# Altium PCB 2-quilter-output.PcbDoc (part 2 of 26) (continued)
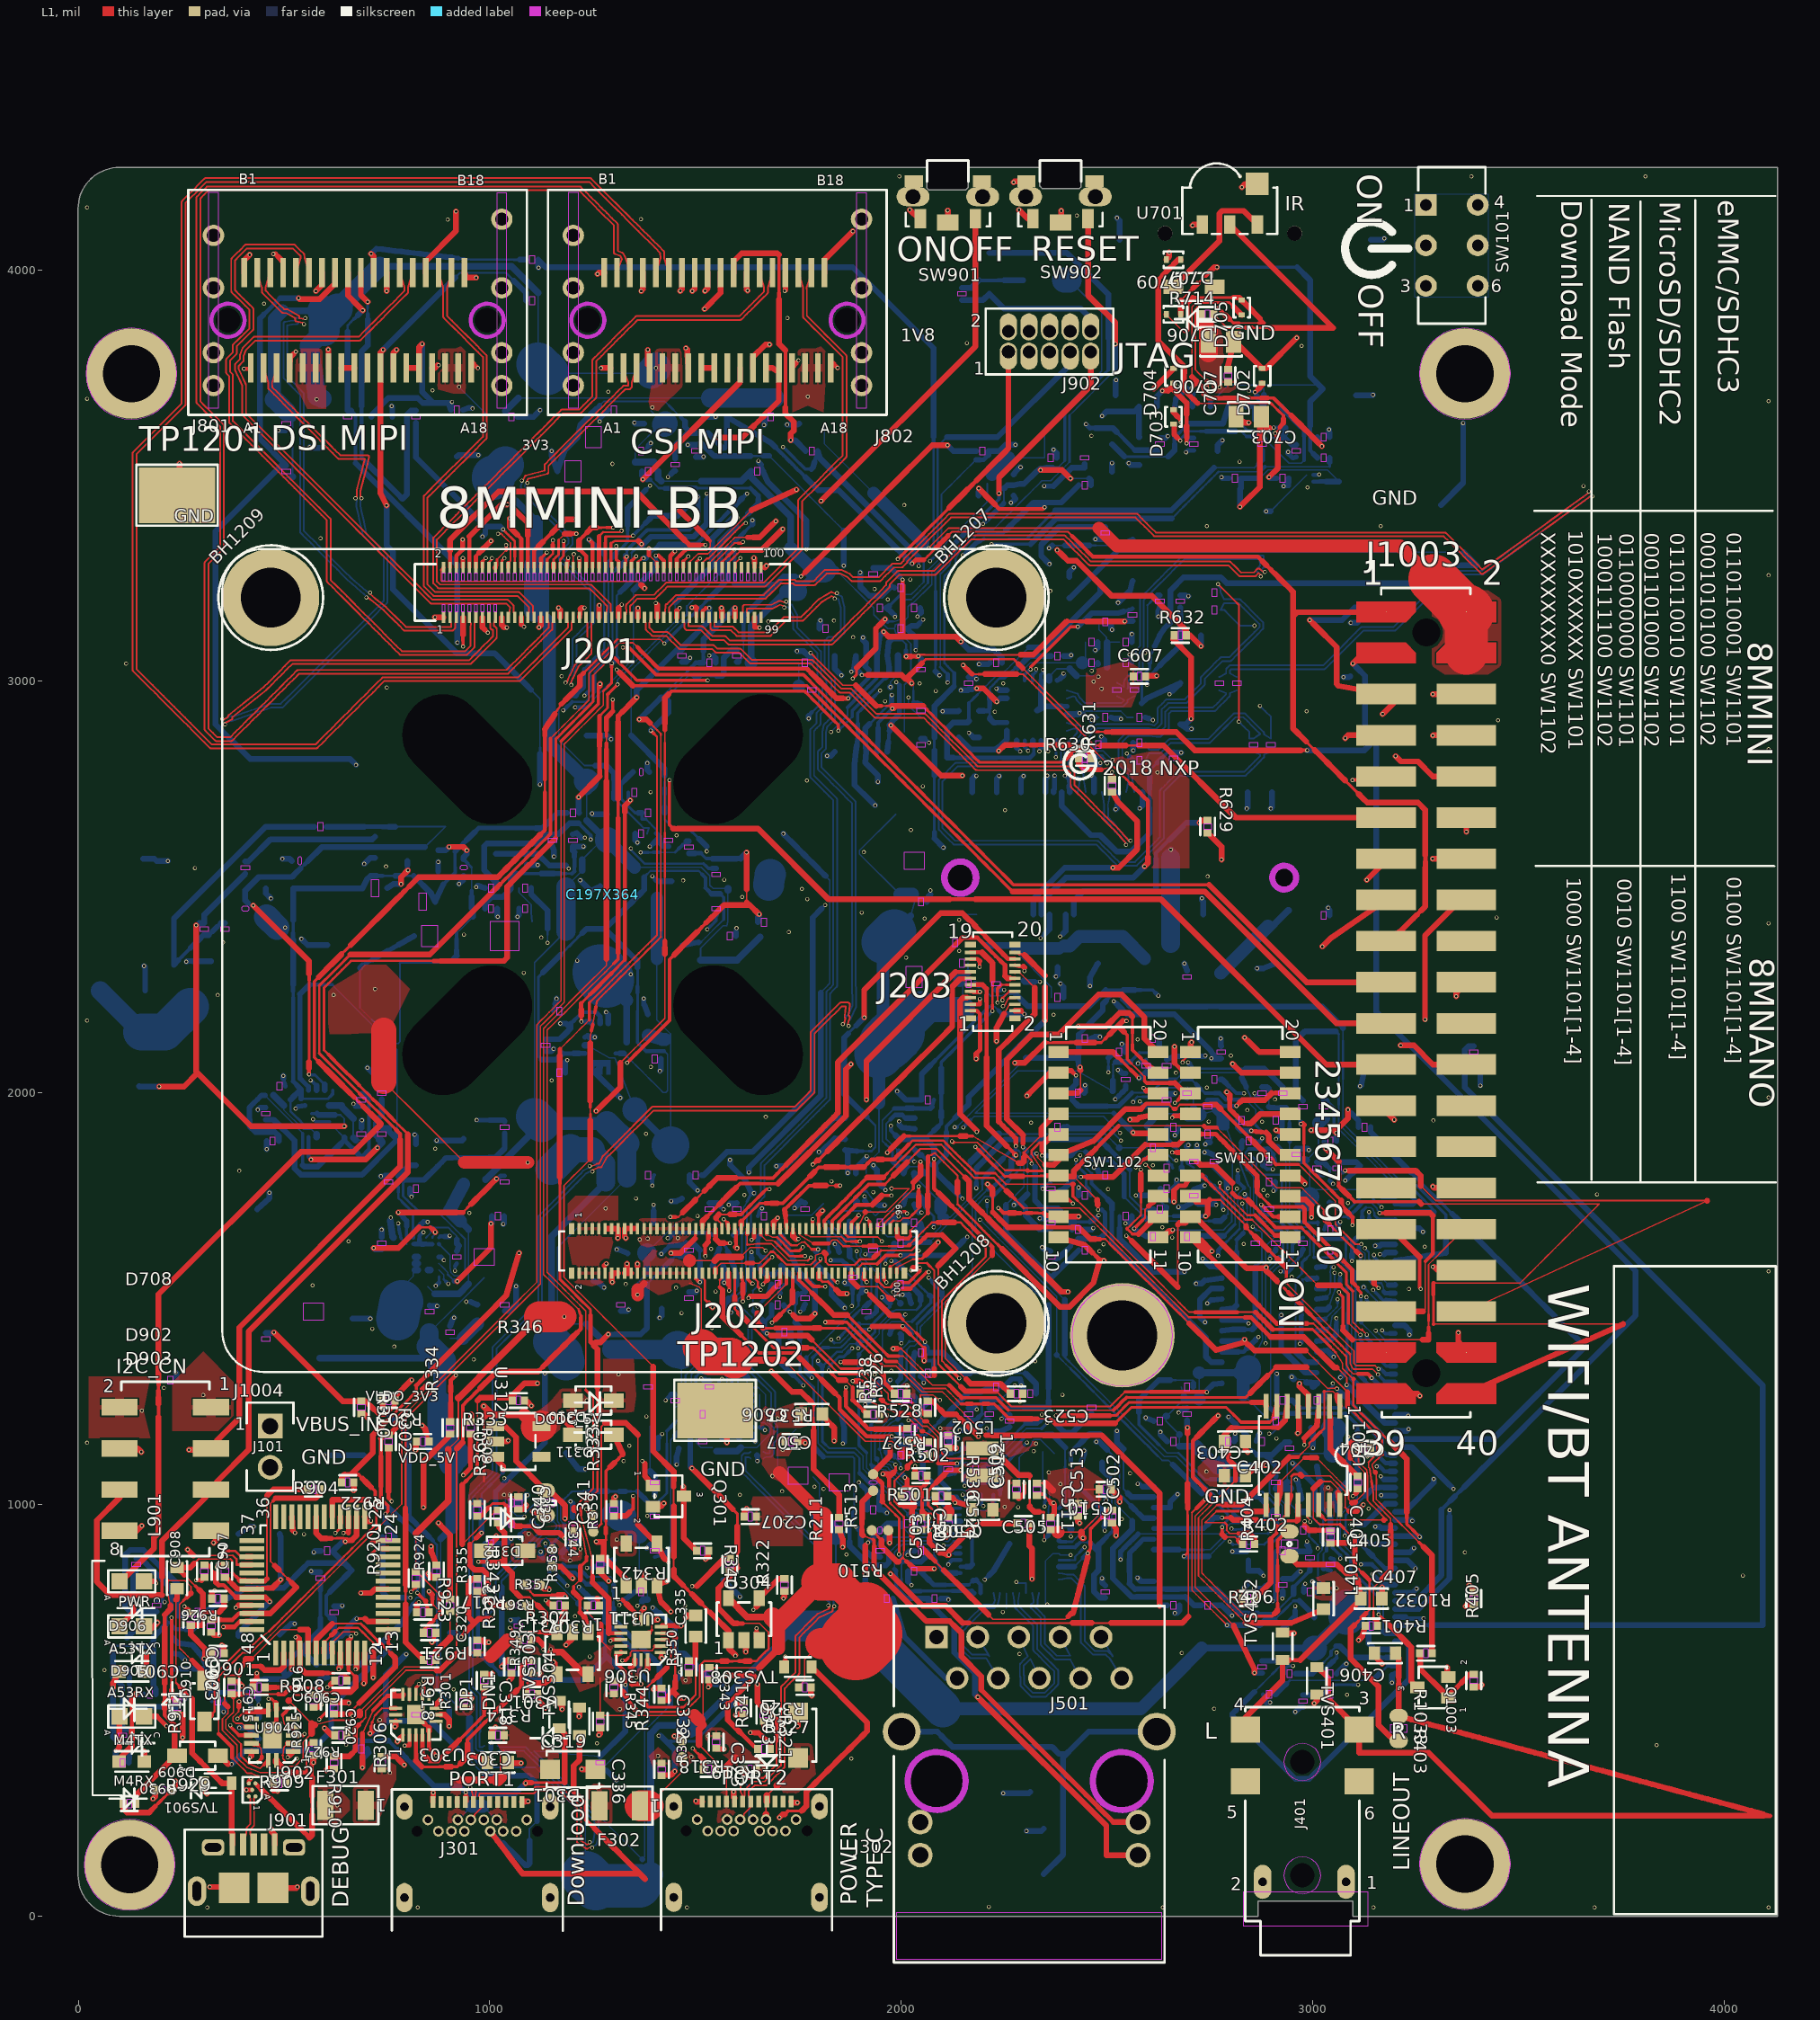
[diagram p0: L1 view]
## Footprints (in the part's own frame and the unit in brackets; to place one, negate y for a bottom-side part, rotate by r counter-clockwise, add the part's x,y. Pads: shape width x height; smd on the part's side, far side on the other; paste and mask are expansions set on the pad) (continued)
  L8 keep-out region: -324.17,-158.66 -325.06,-151.87 -327.68,-145.55 -331.85,-140.12 -337.28,-135.95 -343.61,-133.33 -350.39,-132.43 -357.18,-133.33 -363.51,-135.95 -363.51,-135.95 -368.94,-140.12 -373.11,-145.55 -375.73,-151.87 -376.62,-158.66 -375.73,-165.45 -373.11,-171.78 -368.94,-177.21 -363.51,-181.38 -363.51,-181.38 -357.18,-184 -350.39,-184.89 -343.61,-184 -337.28,-181.38 -331.85,-177.21 -327.68,-171.78 -325.06,-165.45 -324.17,-158.66
  L8 keep-out region: 376.61,-158.66 375.72,-151.88 373.1,-145.55 368.93,-140.12 363.5,-135.95 357.18,-133.33 350.39,-132.44 343.61,-133.33 337.28,-135.95 337.28,-135.95 331.85,-140.12 327.69,-145.55 325.07,-151.88 324.17,-158.66 325.07,-165.45 327.69,-171.77 331.85,-177.2 337.28,-181.37 337.28,-181.37 343.61,-183.99 350.39,-184.88 357.18,-183.99 363.5,-181.37 368.93,-177.2 373.1,-171.77 375.72,-165.45 376.61,-158.66
  L8 keep-out region: 376.62,-78.74 375.73,-71.95 373.11,-65.62 368.94,-60.19 363.51,-56.02 357.18,-53.4 350.39,-52.51 343.6,-53.4 337.28,-56.02 337.28,-56.02 331.85,-60.19 327.68,-65.62 325.06,-71.95 324.16,-78.74 325.06,-85.53 327.68,-91.86 331.85,-97.29 337.28,-101.46 337.28,-101.46 343.6,-104.08 350.39,-104.97 357.18,-104.08 363.51,-101.46 368.94,-97.29 373.11,-91.86 375.73,-85.53 376.62,-78.74
  L8 keep-out region: 376.62,78.74 375.73,85.53 373.11,91.86 368.94,97.29 363.51,101.46 357.18,104.08 350.39,104.97 343.6,104.08 337.28,101.46 337.28,101.46 331.85,97.29 327.68,91.86 325.06,85.53 324.16,78.74 325.06,71.95 327.68,65.62 331.85,60.19 337.28,56.02 337.28,56.02 343.6,53.4 350.39,52.51 357.18,53.4 363.51,56.02 368.94,60.19 373.11,65.62 375.73,71.95 376.62,78.74
  L8 keep-out region: 376.62,245.67 375.73,252.46 373.11,258.78 368.94,264.22 363.51,268.39 357.18,271.01 350.39,271.9 343.6,271.01 337.28,268.39 337.28,268.39 331.85,264.22 327.68,258.78 325.06,252.46 324.16,245.67 325.06,238.88 327.68,232.55 331.85,227.12 337.28,222.95 337.28,222.95 343.6,220.33 350.39,219.44 357.18,220.33 363.51,222.95 368.94,227.12 373.11,232.55 375.73,238.88 376.62,245.67
  Keep-Out Layer circle w10: c314.96,0 r40.28
  Keep-Out Layer circle w10: c-314.96,0 r40.28
  silkscreen extent -412,-230 412,317, body extent -367,-492 365,523, height 911
CON_75_0P5_22X9_RA [mil] "CON_75_0P5_22X9_RA"
  rect 12x61 smd: 1(-364.17,141.73) 2(-354.33,-155.51) 3(-344.49,141.73) 4(-334.65,-155.51) 5(-324.8,141.73) 6(-314.96,-155.51) 7(-305.12,141.73) 8(-295.28,-155.51) 9(-285.43,141.73) 10(-275.59,-155.51) 11(-265.75,141.73) 12(-255.91,-155.51) 13(-246.06,141.73) 14(-236.22,-155.51) 15(-226.38,141.73) 16(-216.54,-155.51) 17(-206.69,141.73) 18(-196.85,-155.51) 19(-187.01,141.73) 20(-177.17,-155.51) 21(-167.32,141.73) 22(-157.48,-155.51) 23(-147.64,141.73) 32(-59.06,-155.51) 33(-49.21,141.73) 34(-39.37,-155.51) 35(-29.53,141.73) 36(-19.69,-155.51) 37(-9.84,141.73) 38(0,-155.51) 39(9.84,141.73) 40(19.69,-155.51) 41(29.53,141.73) 42(39.37,-155.51) 43(49.21,141.73) 44(59.06,-155.51) 45(68.9,141.73) 46(78.74,-155.51) 47(88.58,141.73) 48(98.43,-155.51) 49(108.27,141.73) 50(118.11,-155.51) 51(127.95,141.73) 52(137.8,-155.51) 53(147.64,141.73) 54(157.48,-155.51) 55(167.32,141.73) 56(177.17,-155.51) 57(187.01,141.73) 58(196.85,-155.51) 59(206.69,141.73) 60(216.54,-155.51) 61(226.38,141.73) 62(236.22,-155.51) 63(246.06,141.73) 64(255.91,-155.51) 65(265.75,141.73) 66(275.59,-155.51) 67(285.43,141.73) 68(295.28,-155.51) 69(305.12,141.73) 70(314.96,-155.51) 71(324.8,141.73) 72(334.65,-155.51) 73(344.49,141.73) 74(354.33,-155.51) 75(364.17,141.73)
  rect 47x108 smd: ""(-407.48,111.22) ""(407.48,111.22)
  round 10 hole 43 unplated: ""(-393.7,-65.94)
  round 10 hole 63 unplated: ""(393.7,-65.94)
  L8 keep-out region: 361.94,-65.94 363.02,-57.72 366.19,-50.06 371.24,-43.49 377.82,-38.44 385.48,-35.26 393.7,-34.18 401.92,-35.26 409.58,-38.44 409.58,-38.44 416.16,-43.49 421.21,-50.06 424.38,-57.72 425.46,-65.94 424.38,-74.17 421.21,-81.83 416.16,-88.4 409.58,-93.45 409.58,-93.45 401.92,-96.63 393.7,-97.71 385.48,-96.63 377.82,-93.45 371.24,-88.4 366.19,-81.83 363.02,-74.17 361.94,-65.94
  Keep-Out Layer circle w15: c393.7,-65.94 r39.4
  Keep-Out Layer circle w15: c-393.7,-65.94 r29
  silkscreen extent -440,-192 440,185, body extent -431,-174 431,168, height 160
CON_FPC_60F_0P5_SM_RA [mil] "CON_FPC_60F_0P5_SM_RA"
  rect 10x44 smd: 1(-580.71,68.9) 2(-561.02,68.9) 3(-541.34,68.9) 4(-521.65,68.9) 5(-501.97,68.9) 6(-482.28,68.9) 7(-462.6,68.9) 8(-442.91,68.9) 9(-423.23,68.9) 10(-403.54,68.9) 11(-383.86,68.9) 12(-364.17,68.9) 13(-344.49,68.9) 14(-324.8,68.9) 15(-305.12,68.9) 16(-285.43,68.9) 17(-265.75,68.9) 18(-246.06,68.9) 19(-226.38,68.9) 20(-206.69,68.9) 21(-187.01,68.9) 22(-167.32,68.9) 23(-147.64,68.9) 24(-127.95,68.9) 25(-108.27,68.9) 26(-88.58,68.9) 27(-68.9,68.9) 28(-49.21,68.9) 29(-29.53,68.9) 30(-9.84,68.9) 31(9.84,68.9) 32(29.53,68.9) 33(49.21,68.9) 34(68.9,68.9) 35(88.58,68.9) 36(108.27,68.9) 37(127.95,68.9) 38(147.64,68.9) 39(167.32,68.9) 40(187.01,68.9) 41(206.69,68.9) 42(226.38,68.9) 43(246.06,68.9) 44(265.75,68.9) 45(285.43,68.9) 46(305.12,68.9) 47(324.8,68.9) 48(344.49,68.9) 49(364.17,68.9) 50(383.86,68.9) 51(403.54,68.9) 52(423.23,68.9) 53(442.91,68.9) 54(462.6,68.9) 55(482.28,68.9) 56(501.97,68.9) 57(521.65,68.9) 58(541.34,68.9) 59(561.02,68.9) 60(580.71,68.9)
  rect 67x60 smd: ""(-645.67,-84.65) ""(645.67,-84.65)
  silkscreen extent -666,-129 666,173, body extent -671,-124 672,120, height 83
CON_RJ45_10F_100_TH_RA [mil] "CON_RJ45_10F_100_TH_RA"
  rect 55x55 / inner round 55 / far side rect 55x55 hole 35: 1(0,0)
  round 55 hole 35: 2(-50,100) 3(-100,0) 4(-150,100) 5(-200,0) 6(-250,100) 7(-300,0) 8(-350,100) 9(-400,0) 10(-450,100)
  round 60 hole 40: 11(39.57,450) 12(39.57,529.92) 13(-489.96,450) 14(-489.96,529.92)
  round 92 hole 67: 15(-535.24,229.92) 16(84.84,229.92)
  round 10 hole 126 unplated: ""(-450.2,350) ""(-0.2,350)
  L1 keep-out region: 96.65,784.06 96.65,669.06 -547.05,669.06 -547.05,784.06
  Keep-Out Layer circle w15: c-0.2,350 r70.5
  Keep-Out Layer circle w15: c-450.2,350 r70.5
  silkscreen extent -554,-75 104,791, body extent -538,-61 87,782, height 532
CON_USB_TYPE_B_SM [mil] "CON_USB_TYPE_B_SM"
  rect 13x53 smd: 1(-51.18,105.31) 5(51.18,105.31)
  rect 16x53 smd: 2(-25.59,105.31) 3(0,105.31) 4(25.59,105.31)
  oval 45x72 hole 20 slot 47 at 90 deg: S1(-137.8,-7.87) S2(137.79,-7.88)
  rect 75x75 smd: S3(-47.24,0) S4(47.24,0)
  rrect50% 54x39 hole 20 slot 40 at 0 deg: S5(-98.43,98.43) S6(98.42,98.42)
  silkscreen extent -167,-118 167,142, body extent -148,-93 148,104, height 105
DFN3P3X3P3_8L_EX [mil] "DFN3P3X3P3_8L_EX"
  rect 22x14 smd: 1(-55.91,38.39) 2(-55.91,12.8) 3(-55.91,-12.8) 4(-55.91,-38.39)
  rect 75.98x96.46 smd paste-99999 mask+0: 5(15.16,0)
  rect 22x14 smd paste-99999 mask+0: 5(55.91,-38.39) 5(55.91,-12.8) 5(55.91,12.8) 5(55.91,38.39)
  silkscreen extent -72,-72 72,72, body extent -66,-65 66,65, height 36
DHVQFN14_3X2P5MM [mil] "DHVQFN14_3X2P5MM"
  rect 36x11 smd: 1(-61.02,-9.84) 7(61.02,-9.84) 8(61.02,9.84) 14(-61.02,9.84)
  rect 11x36 smd: 2(-39.37,-51.18) 3(-19.69,-51.18) 4(0,-51.18) 5(19.69,-51.18) 6(39.37,-51.18) 9(39.37,51.18) 10(19.69,51.18) 11(0,51.18) 12(-19.69,51.18) 13(-39.37,51.18)
  rect 65x45 smd paste-99999 mask+0: 15(0,0)
  silkscreen extent -66,-56 66,56, body extent -59,-49 59,49, height 40
DIODE2_SOD523 [mil] "DIODE2_SOD523"
  rect 24x32 smd: 1(-33.46,0) 2(33.46,0)
  silkscreen extent -32,-24 32,24, body extent -31,-16 31,16, height 28
FUSE_3P4X1P8 [mil] "FUSE_3P4X1P8"
  rect 39x71 smd: 1(-49.21,0) 2(49.21,0)
  silkscreen extent -80,-46 80,46, body extent -63,-31 63,31, height 51
HDR102 [mil] "HDR102"
  rect 60x60 / inner round 60 / far side rect 60x60 hole 40: 1(0,0)
  round 60 hole 40: 2(0,-100)
  L8 keep-out region: 30,-30 30,-100 27.72,-88.52 21.21,-78.79 11.48,-72.28 0,-70 0,-70 -11.48,-72.28 -21.21,-78.79 -27.72,-88.52 -30,-100 -30,-100 -30,-30 30,-30
  silkscreen extent -57,-157 57,57, body extent -50,-150 50,50, height 330
HDR220_TSM_A_SM [mil] "HDR220_TSM_A_SM"
  round 1 smd: 1(-97.44,950) 2(97.44,950) 3(-97.44,850) 4(97.44,850) 37(-97.44,-850) 38(97.44,-850) 39(-97.44,-950) 40(97.44,-950)
  rect 145x50 smd: 5(-97.44,750) 6(97.44,750) 7(-97.44,650) 8(97.44,650) 9(-97.44,550) 10(97.44,550) 11(-97.44,450) 12(97.44,450) 13(-97.44,350) 14(97.44,350) 15(-97.44,250) 16(97.44,250) 17(-97.44,150) 18(97.44,150) 19(-97.44,50) 20(97.44,50) 21(-97.44,-50) 22(97.44,-50) 23(-97.44,-150) 24(97.44,-150) 25(-97.44,-250) 26(97.44,-250) 27(-97.44,-350) 28(97.44,-350) 29(-97.44,-450) 30(97.44,-450) 31(-97.44,-550) 32(97.44,-550) 33(-97.44,-650) 34(97.44,-650) 35(-97.44,-750) 36(97.44,-750)
  round 10 hole 68 unplated: ""(0,-900) ""(0,900)
  L1 region: -25,-975 -169.88,-975 -169.88,-925 -50,-925 -25,-950
  L1 region: -50,-875 -169.88,-875 -169.88,-825 -25,-825 -25,-850
  L1 region: -25,825 -169.88,825 -169.88,875 -50,875 -25,850
  L1 region: -50,925 -169.88,925 -169.88,975 -25,975 -25,950
  L1 region: 50,-925 169.88,-925 169.88,-975 25,-975 25,-950
  L1 region: 25,-825 169.88,-825 169.88,-875 50,-875 25,-850
  L1 region: 50,875 169.88,875 169.88,825 25,825 25,850
  L1 region: 25,975 169.88,975 169.88,925 50,925 25,950
  L8 keep-out region: 34.65,900 33.47,908.97 30,917.32 24.5,924.5 17.32,930 8.97,933.47 0,934.65 -8.97,933.47 -17.32,930 -17.32,930 -24.5,924.5 -30,917.32 -33.47,908.97 -34.65,900 -33.47,891.03 -30,882.68 -24.5,875.5 -17.32,870 -17.32,870 -8.97,866.53 0,865.35 8.97,866.53 17.32,870 24.5,875.5 30,882.68 33.47,891.03 34.65,900
  silkscreen extent -109,-1007 107,1008, body extent -145,-1000 145,1000, height 389
HX2QFN16_0P4_2P7X2P7 [mil] "HX2QFN16_0P4_2P7X2P7"
  rect 32x8 smd: 1(-49.21,31.5) 2(-49.21,15.75) 3(-49.21,0) 4(-49.21,-15.75) 5(-49.21,-31.5) 9(49.21,-31.5) 10(49.21,-15.75) 11(49.21,0) 12(49.21,15.75) 13(49.21,31.5)
  rect 8x32 smd: 6(-15.75,-49.21) 7(0,-49.21) 8(15.75,-49.21) 14(15.75,49.21) 15(0,49.21) 16(-15.75,49.21)
  rect 47x43 smd paste-99999: 17(0,0)
  silkscreen extent -60,-60 60,60, body extent -53,-53 53,53, height 16
IND_IHLP [mil] "IND_IHLP"
  rect 79x135 smd: 1(-110,0) 2(108,0)
  silkscreen extent -149,-140 150,140, body extent -143,-133 143,133, height 120
IND_SPH2520 [mil] "IND_SPH2520"
  rect 48x79 smd: 1(-39.75,0) 2(39.75,0)
  silkscreen extent -55,-50 52,50, body extent -49,-39 49,39, height 39
IND_VLS252010 [mil] "IND_VLS252010"
  rect 34x79 smd: 1(-32.48,0) 2(32.48,0)
  silkscreen extent -47,-49 46,49, body extent -49,-39 49,39, height 47
LED_0603 [mil] "LED_0603"
  rect 40x40 smd: A(-30,0) C(30,0)
  silkscreen extent -57,-95 57,27, body extent -33,-18 33,18, height 35
LED_0603_11MIL [mil] "LED_0603_11MIL"
  rect 33x31 smd: A(-30.51,0) C(30.51,0)
  silkscreen extent -54,-121 40,25, body extent -33,-18 33,18, height 35
LQFP48 [mil] "LQFP48"
  rect 60x12 smd: 1(-165.5,108.35) 2(-165.5,88.65) 3(-165.5,68.95) 4(-165.5,49.25) 5(-165.5,29.55) 6(-165.5,9.85) 7(-165.5,-9.85) 8(-165.5,-29.55) 9(-165.5,-49.25) 10(-165.5,-68.95) 11(-165.5,-88.65) 12(-165.5,-108.35) 25(165.5,-108.35) 26(165.5,-88.65) 27(165.5,-68.95) 28(165.5,-49.25) 29(165.5,-29.55) 30(165.5,-9.85) 31(165.5,9.85) 32(165.5,29.55) 33(165.5,49.25) 34(165.5,68.95) 35(165.5,88.65) 36(165.5,108.35)
  rect 12x60 smd: 13(-108.35,-165.5) 14(-88.65,-165.5) 15(-68.95,-165.5) 16(-49.25,-165.5) 17(-29.55,-165.5) 18(-9.85,-165.5) 19(9.85,-165.5) 20(29.55,-165.5) 21(49.25,-165.5) 22(68.95,-165.5) 23(88.65,-165.5) 24(108.35,-165.5) 37(108.35,165.5) 38(88.65,165.5) 39(68.95,165.5) 40(49.25,165.5) 41(29.55,165.5) 42(9.85,165.5) 43(-9.85,165.5) 44(-29.55,165.5) 45(-49.25,165.5) 46(-68.95,165.5) 47(-88.65,165.5) 48(-108.35,165.5)
  silkscreen extent -145,-145 145,145, body extent -177,-177 177,177, height 61
MH244-166T [mil] "MH244-166T"
  round 255 / inner round 244 / far side round 255 hole 170: 1(0,0)
  L8 keep-out region: -122.38,0 -120.87,19.14 -116.39,37.82 -109.04,55.56 -99.01,71.93 -86.53,86.53 -71.93,99.01 -55.56,109.04 -37.82,116.39 -19.14,120.87 0,122.38 19.14,120.87 37.82,116.39 55.56,109.04 61.02,105.69 61.02,105.69 71.93,99.01 86.53,86.53 99.01,71.93 109.04,55.56 116.39,37.82 120.87,19.14 122.38,0 120.87,-19.14 116.39,-37.82 109.04,-55.56 99.01,-71.93 86.53,-86.53 71.93,-99.01 61.02,-105.69 61.02,-105.69 55.56,-109.04 37.82,-116.39 19.14,-120.87 0,-122.38 -19.14,-120.87 -37.82,-116.39 -55.56,-109.04 -71.93,-99.01 -86.53,-86.53 -99.01,-71.93 -109.04,-55.56 -116.39,-37.82 -120.87,-19.14 -122.38,0
  silkscreen extent -132,-132 132,132, body extent -100,-100 100,100, height 79
QFN12_0P5_2X3MM_EP [mil] "QFN12_0P5_2X3MM_EP"
  rect 28x10 smd: 1(-37.4,19.83) 2(-37.4,0.14) 3(-37.4,-19.55) 7(37.4,-19.55) 8(37.4,0.14) 9(37.4,19.83)
  rect 10x36 smd: 4(-19.69,-53.01) 5(0,-53.01) 6(19.69,-53.01)
  round 1 smd paste+0: 10(0,53.29)
  rect 16x10 smd: 11(0,0.14)
  L1 region: 4.92,71.01 -4.92,71.01 -4.92,51.32 -14.76,51.32 -14.76,71.01 -24.61,71.01 -24.61,35.57 24.61,35.57 24.61,71.01 14.76,71.01 14.76,51.32 4.92,51.32
  silkscreen extent -48,-68 48,68, body extent -39,-59 39,59, height 34
QFN12_0P5_3P1X2P1 [mil] "QFN12_0P5_3P1X2P1"
  rect 10x59 smd: 1(19.69,21.77) 2(-19.69,21.77) 7(0,-21.53)
  rect 28x10 smd: 3(-57.09,29.65) 4(-57.09,9.96) 5(-57.09,-9.72) 6(-57.09,-29.41) 9(57.09,-29.41) 10(57.09,-9.72) 11(57.09,9.96) 12(57.09,29.65)
  rect 10x28 smd: 8(19.69,-37.28)
  silkscreen extent -68,-48 68,48, body extent -59,-39 59,39, height 36
QFN24_0P5_4X4_EP2P2 [mil] "QFN24_0P5_4X4_EP2P2"
  oval 32x11 smd: 1(-73.23,49.21) 2(-73.23,29.53) 3(-73.23,9.84) 4(-73.23,-9.84) 5(-73.23,-29.53) 6(-73.23,-49.21) 13(73.23,-49.21) 14(73.23,-29.53) 15(73.23,-9.84) 16(73.23,9.84) 17(73.23,29.53) 18(73.23,49.21)
  oval 11x32 smd: 7(-49.21,-73.23) 8(-29.53,-73.23) 9(-9.84,-73.23) 10(9.84,-73.23) 11(29.53,-73.23) 12(49.21,-73.23) 19(49.21,73.23) 20(29.53,73.23) 21(9.84,73.23) 22(-9.84,73.23) 23(-29.53,73.23) 24(-49.21,73.23)
  rect 96x96 smd paste-99999: 25(0,0)
  silkscreen extent -86,-86 86,86, body extent -79,-79 79,79, height 39
QFN48_0P4_6X6MM_EPAD [mil] "QFN48_0P4_6X6MM_EPAD"
  oval 38x8 smd: 1(-119.59,86.61) 2(-119.59,70.87) 3(-119.59,55.12) 4(-119.59,39.37) 5(-119.59,23.62) 6(-119.59,7.87) 7(-119.59,-7.87) 8(-119.59,-23.62) 9(-119.59,-39.37) 10(-119.59,-55.12) 11(-119.59,-70.87) 12(-119.59,-86.61) 25(119.59,-86.61) 26(119.59,-70.87) 27(119.59,-55.12) 28(119.59,-39.37) 29(119.59,-23.62) 30(119.59,-7.87) 31(119.59,7.87) 32(119.59,23.62) 33(119.59,39.37) 34(119.59,55.12) 35(119.59,70.87) 36(119.59,86.61)
  oval 8x38 smd: 13(-86.61,-119.59) 14(-70.87,-119.59) 15(-55.12,-119.59) 16(-39.37,-119.59) 17(-23.62,-119.59) 18(-7.87,-119.59) 19(7.87,-119.59) 20(23.62,-119.59) 21(39.37,-119.59) 22(55.12,-119.59) 23(70.87,-119.59) 24(86.61,-119.59) 37(86.61,119.59) 38(70.87,119.59) 39(55.12,119.59) 40(39.37,119.59) 41(23.62,119.59) 42(7.87,119.59) 43(-7.87,119.59) 44(-23.62,119.59) 45(-39.37,119.59) 46(-55.12,119.59) 47(-70.87,119.59) 48(-86.61,119.59)
  rect 150x150 smd paste-99999: 49(0,0)
  silkscreen extent -125,-125 125,125, body extent -118,-118 118,118, height 35
RC0402_25#1 [mil] "RC0402_25"
  round 25 smd: 1(-20,0) 2(20,0)
  L8 keep-out region: 5,4 5,-4 5,-6.07 2.07,-9 -2.07,-9 -5,-6.07 -5,-4 -5,-4 -5,4 -5,6.07 -2.07,9 2.07,9 5,6.07 5,4
  body extent -23,-11 23,11, height 16
RC0402_25#2 [mil] "RC0402_25"
  round 25 smd: 1(-20,0) 2(20,0)
  L1 keep-out region: 5,4 5,-4 5,-6.07 2.07,-9 -2.07,-9 -5,-6.07 -5,-4 -5,-4 -5,4 -5,6.07 -2.07,9 2.07,9 5,6.07 5,4
  body extent -23,-11 23,11, height 16
RC0603_OV#1 [mil] "RC0603_OV"
  oval 35x45 smd: 1(-30,0) 2(30,0)
  L8 keep-out region: -10,20 10,20 10,-20 -10,-20
  silkscreen extent -5,-5 5,5, body extent -33,-16 33,16, height 22
RC0603_OV#2 [mil] "RC0603_OV"
  oval 35x45 smd: 1(-30,0) 2(30,0)
  L1 keep-out region: -10,20 10,20 10,-20 -10,-20
  silkscreen extent -5,-5 5,5, body extent -33,-16 33,16, height 22
RC0805_OV [mil] "RC0805_OV"
  oval 35x60 smd: 1(-38,0) 2(38,0)
  L8 keep-out region: -20,25 20,25 20,-25 -20,-25
  silkscreen extent -10,-25 10,25, body extent -45,-27 45,27, height 30
RC1206_OV [mil] "RC1206_OV"
  oval 40x70 smd: 1(-60,0) 2(60,0)
  L8 keep-out region: -35,-35 -35,35 35,35 35,-35
  silkscreen extent -15,-30 15,30, body extent -61,-31 61,31, height 26
RCVR_SM_IRM_V5 [mil] "RCVR_SM_IRM_V5"
  rect 28x44 smd: 1(66.93,-62.99) 2(0,-62.99) 3(-66.93,-62.99)
  rect 56x54 smd: 4(66.14,36.06)
  silkscreen extent -115,-86 115,86, body extent -108,-85 108,78, height 104
SC70-5 [mil] "SC70-5"
  rect 16x32 smd: 1(-25.3,-42.5) 2(0.3,-42.5) 3(25.9,-42.5) 4(25.9,42.5) 5(-25.3,42.5)
  silkscreen extent -64,-34 51,34, body extent -41,-45 41,45, height 39
SC70_3 [mil] "SC70_3"
  rect 28x35 smd: 1(-25.5,-37.47) 2(25.5,-37.47) 3(0,37.47)
  silkscreen extent -51,-34 51,34, body extent -41,-45 41,45, height 39
SC70_6LEAD [mil] "SC70_6LEAD"
  rect 20x16 smd: 1(-37.41,25.6) 2(-37.41,0) 3(-37.41,-25.6) 4(37.41,-25.6) 5(37.41,0) 6(37.41,25.6)
  silkscreen extent -35,-51 35,58, body extent -41,-39 41,39, height 38
SOD123W [mil] "SOD123W"
  rect 48x48 smd: A(55.12,0) C(-55.12,0)
  silkscreen extent -103,-44 64,102, body extent -77,-35 77,35, height 46
SOD323 [mil] "SOD323"
  rect 35x48 smd: A(0,50) C(0,-50)
  silkscreen extent -34,-46 103,44, body extent -27,-51 27,51, height 43
SOD523 [mil] "SOD523"
  rect 24x32 smd: A(33.46,-0.2) C(-33.46,-0.2)
  silkscreen extent -37,-24 53,125, body extent -31,-16 31,16, height 28
SOD-923 [mil] "SOD-923"
  rect 12x16 smd: A(-17.72,0) C(17.72,0)
  silkscreen extent -24,-20 24,20, body extent -21,-13 21,13, height 17
SOT23-5 [mil] "SOT23-5"
  rect 24x44 smd: 1(-37.4,-56.1) 2(0,-56.1) 3(37.4,-56.1) 4(37.4,56.1) 5(-37.4,56.1)
  silkscreen extent -69,-41 69,41, body extent -59,-55 59,55, height 46
SOT23_A [mil] "SOT23_A"
  rect 31x35 smd: 1(-37,-39.5) 2(37,-39.5) 3(0,39.5)
  silkscreen extent -67,-34 67,35, body extent -57,-49 57,48, height 41
SOT-23 [mil] "SOT-23"
  rect 40x55 smd: 1(-37.4,-43.3) 2(37.4,-43.3) 3(0,43.3)
  silkscreen extent -65,-34 65,34, body extent -57,-49 57,48, height 41
SOT-23-5 [mil] "SOT-23-5"
  rect 27x39 smd: 1(-36.5,-51) 2(1,-51) 3(38.5,-51) 4(38.5,51) 5(-36.5,51)
  silkscreen extent -65,-41 67,41, body extent -59,-55 59,55, height 46
SPACER_139T [mil] "SPACER_139T"
  round 220 hole 139: 1(0,0)
  L8 keep-out region: -110.52,0 -109.16,17.29 -105.11,34.15 -98.47,50.18 -89.41,64.96 -78.15,78.15 -64.96,89.41 -50.18,98.47 -34.15,105.11 -17.29,109.16 0,110.52 17.29,109.16 34.15,105.11 50.18,98.47 55.11,95.45 55.11,95.45 64.96,89.41 78.15,78.15 89.41,64.96 98.47,50.18 105.11,34.15 109.16,17.29 110.52,0 109.16,-17.29 105.11,-34.15 98.47,-50.18 89.41,-64.96 78.15,-78.15 64.96,-89.41 55.11,-95.45 55.11,-95.45 50.18,-98.47 34.15,-105.11 17.29,-109.16 0,-110.52 -17.29,-109.16 -34.15,-105.11 -50.18,-98.47 -64.96,-89.41 -78.15,-78.15 -89.41,-64.96 -98.47,-50.18 -105.11,-34.15 -109.16,-17.29 -110.52,0
  silkscreen extent -117,-117 117,117
STANDOFF_CIRCLE_5P1-2P5MM_NSP [mil] "STANDOFF_CIRCLE_5P1-2P5MM_NSP"
  round 236 hole 146: 1(0,0)
  L8 keep-out region: 83.77,-83.77 95.85,-69.64 105.56,-53.79 112.68,-36.61 117.02,-18.53 118.48,0 117.02,18.53 112.68,36.61 105.56,53.79 95.85,69.64 83.77,83.77 69.64,95.85 53.79,105.56 36.61,112.68 30.58,114.12 30.58,114.12 18.53,117.02 0,118.48 -18.53,117.02 -36.61,112.68 -53.79,105.56 -69.64,95.85 -83.77,83.77 -95.85,69.64 -105.56,53.79 -112.68,36.61 -117.02,18.53 -118.48,0 -117.02,-18.53 -114.12,-30.58 -114.12,-30.58 -112.68,-36.61 -105.56,-53.79 -95.85,-69.64 -83.77,-83.77 -69.64,-95.85 -53.79,-105.56 -36.61,-112.68 -18.53,-117.02 0,-118.48 18.53,-117.02 36.61,-112.68 53.79,-105.56 69.64,-95.85 83.77,-83.77
  silkscreen extent -127,-127 127,127, body extent -100,-100 100,100, height 59
SW2_3P4_TACT_SM_NSP [mil] "SW2_3P4_TACT_SM_NSP"
  rect 28x47 smd: 1(66.93,53.54) 2(-66.93,53.54)
  rect 52x40 smd: 3(0,62.99)
  rect 44x28 smd: 4(-82.68,-37.4) 5(82.68,-37.4)
  oval 80x46 hole 36: 6(-84.65,0) 7(84.65,0)
  L8 keep-out region: -101.65,-23 -67.65,-23 -63.08,-23 -54.62,-19.5 -48.15,-13.03 -44.65,-4.57 -44.65,0 -44.65,4.57 -48.15,13.03 -54.62,19.5 -63.08,23 -67.65,23 -67.65,23 -101.65,23 -106.22,23 -114.68,19.5 -121.15,13.03 -124.65,4.57 -124.65,0 -124.65,-4.57 -121.15,-13.03 -114.68,-19.5 -106.22,-23 -101.65,-23
  L8 keep-out region: 67.65,-23 101.65,-23 106.22,-23 114.68,-19.5 121.15,-13.03 124.65,-4.57 124.65,0 124.65,4.57 121.15,13.03 114.68,19.5 106.22,23 101.65,23 101.65,23 67.65,23 63.08,23 54.62,19.5 48.15,13.03 44.65,4.57 44.65,0 44.65,-4.57 48.15,-13.03 54.62,-19.5 63.08,-23 67.65,-23
  L8 keep-out region: -102.99,0 -101.6,-7.02 -97.62,-12.97 -91.67,-16.95 -84.65,-18.35 -77.62,-16.95 -75.63,-15.62 -75.63,-15.62 -71.67,-12.97 -67.7,-7.02 -66.3,0 -67.7,7.02 -71.67,12.97 -75.63,15.62 -75.63,15.62 -77.62,16.95 -84.65,18.35 -91.67,16.95 -97.62,12.97 -101.6,7.02 -102.99,0
  L8 keep-out region: 66.29,0 67.68,-7.03 71.66,-12.98 77.62,-16.96 84.65,-18.36 91.67,-16.96 93.67,-15.63 93.67,-15.63 97.63,-12.98 101.61,-7.03 103,0 101.61,7.03 97.63,12.98 93.67,15.63 93.67,15.63 91.67,16.96 84.65,18.36 77.62,16.96 71.66,12.98 67.68,7.03 66.29,0
  silkscreen extent -102,-88 102,72
SW6_DPDT_M096H_TH [mil] "SW6_DPDT_M096H_TH"
  rect 53x53 / inner round 53 / far side rect 53x53 hole 28: 1(0,0)
  round 53 hole 28: 2(0,-98.43) 3(0,-196.85) 4(125.98,0) 5(125.98,-98.43) 6(125.98,-196.85)
  L8 lines w1: -26.5,-223.35 -26.5,26.5 152.48,26.5 152.48,-223.35 -26.5,-223.35
  silkscreen extent -19,-288 145,92
SW_DIP10_SM [mil] "SW_DIP10_SM"
  rect 30x50 smd: 1(-225,-121) 2(-175,-121) 3(-125,-121) 4(-75,-121) 5(-25,-121) 6(25,-121) 7(75,-121) 8(125,-121) 9(175,-121) 10(225,-121) 11(225,121) 12(175,121) 13(125,121) 14(75,121) 15(25,121) 16(-25,121) 17(-75,121) 18(-125,121) 19(-175,121) 20(-225,121)
  silkscreen extent -286,-103 286,103, body extent -274,-132 274,132, height 64
TEST_PIN_TP107 [mil] "TEST_PIN_TP107"
  rect 185x135 smd: 1(0,0)
  silkscreen extent -99,-74 99,74, body extent -75,-56 75,56, height 91
TSSOP8_A [mil] "TSSOP8_A"
  rect 57x18 smd: 1(-84.65,38.39) 2(-84.65,12.8) 3(-84.65,-12.8) 4(-84.65,-38.39) 5(84.65,-38.39) 6(84.65,-12.8) 7(84.65,12.8) 8(84.65,38.39)
  silkscreen extent -72,-68 68,87, body extent -81,-61 81,61, height 43
TSSOP14 [mil] "TSSOP14"
  rect 60x18 smd: 1(-116.5,76.8) 2(-116.5,51.2) 3(-116.5,25.6) 4(-116.5,0) 5(-116.5,-25.6) 6(-116.5,-51.2) 7(-116.5,-76.8) 8(116.5,-76.8) 9(116.5,-51.2) 10(116.5,-25.6) 11(116.5,0) 12(116.5,25.6) 13(116.5,51.2) 14(116.5,76.8)
  silkscreen extent -96,-107 96,132, body extent -130,-100 130,100, height 43
TSSOP16 [mil] "TSSOP16"
  rect 60x12 smd: 1(-120,89.6) 2(-120,64) 3(-120,38.4) 4(-120,12.8) 5(-120,-12.8) 6(-120,-38.4) 7(-120,-64) 8(-120,-89.6) 9(120,-89.6) 10(120,-64) 11(120,-38.4) 12(120,-12.8) 13(120,12.8) 14(120,38.4) 15(120,64) 16(120,89.6)
  silkscreen extent -96,-108 96,108, body extent -126,-98 126,98, height 43
TSSOP24_0P65_7P9X4P5 [mil] "TSSOP24_0P65_7P9X4P5"
  rect 54x16 smd: 1(-115.25,140.75) 2(-115.25,115.16) 3(-115.25,89.57) 4(-115.25,63.98) 5(-115.25,38.39) 6(-115.25,12.8) 7(-115.25,-12.8) 8(-115.25,-38.39) 9(-115.25,-63.98) 10(-115.25,-89.57) 11(-115.25,-115.16) 12(-115.25,-140.75) 13(115.25,-140.75) 14(115.25,-115.16) 15(115.25,-89.57) 16(115.25,-63.98) 17(115.25,-38.39) 18(115.25,-12.8) 19(115.25,12.8) 20(115.25,38.39) 21(115.25,63.98) 22(115.25,89.57) 23(115.25,115.16) 24(115.25,140.75)
  silkscreen extent -96,-163 96,192, body extent -128,-155 128,155, height 45
TSSOP24_65MM [mil] "TSSOP24_65MM"
  rect 60x12 smd: 1(-114.96,140.94) 2(-114.96,115.35) 3(-114.96,89.76) 4(-114.96,64.17) 5(-114.96,38.58) 6(-114.96,12.99) 7(-114.96,-12.6) 8(-114.96,-38.19) 9(-114.96,-63.78) 10(-114.96,-89.37) 11(-114.96,-114.96) 12(-114.96,-140.55) 13(114.96,-140.55) 14(114.96,-114.96) 15(114.96,-89.37) 16(114.96,-63.78) 17(114.96,-38.19) 18(114.96,-12.6) 19(114.96,12.99) 20(114.96,38.58) 21(114.96,64.17) 22(114.96,89.76) 23(114.96,115.35) 24(114.96,140.94)
  silkscreen extent -88,-165 88,190, body extent -115,-156 115,156, height 43
WLCSP4_0P4_0P8X0P8_SMDP [mil] "WLCSP4_0P4_0P8X0P8_SMDP"
  round 10 smd: A1(-7.87,7.87) A2(7.87,7.87) B1(-7.87,-7.87) B2(7.87,-7.87)
  silkscreen extent -23,-23 23,23, body extent -16,-16 16,16, height 20
WLCSP5_0P4_0P82X1P22 [mil] "WLCSP5_0P4_0P82X1P22"
  round 10 smd: A1(-7.87,15.75) A2(7.87,15.75) B1(0,0) C1(-7.87,-15.75) C2(7.87,-15.75)
  silkscreen extent -23,-31 23,31, body extent -15,-23 16,23, height 24
WLCSP12_0P4_1P3X1P7MM_SMDP [mil] "WLCSP12_0P4_1P3X1P7MM_SMDP"
  round 10 smd: A1(-15.75,23.62) A2(0,23.62) A3(15.75,23.62) B1(-15.75,7.87) B2(0,7.87) B3(15.75,7.87) C1(-15.75,-7.87) C2(0,-7.87) C3(15.75,-7.87) D1(-15.75,-23.62) D2(0,-23.62) D3(15.75,-23.62)
  silkscreen extent -33,-40 33,40, body extent -25,-33 25,33, height 22
WLCSP42_0P4_2P94X2P54_SMDP [mil] "WLCSP42_0P4_2P94X2P54_SMDP"
  round 10 smd: A1(-39.37,47.24) A2(-23.62,47.24) A3(-7.87,47.24) A4(7.87,47.24) A5(23.62,47.24) A6(39.37,47.24) B1(-39.37,31.5) B2(-23.62,31.5) B3(-7.87,31.5) B4(7.87,31.5) B5(23.62,31.5) B6(39.37,31.5) C1(-39.37,15.75) C2(-23.62,15.75) C3(-7.87,15.75) C4(7.87,15.75) C5(23.62,15.75) C6(39.37,15.75) D1(-39.37,0) D2(-23.62,0) D3(-7.87,0) D4(7.87,0) D5(23.62,0) D6(39.37,0) E1(-39.37,-15.75) E2(-23.62,-15.75) E3(-7.87,-15.75) E4(7.87,-15.75) E5(23.62,-15.75) E6(39.37,-15.75) F1(-39.37,-31.5) F2(-23.62,-31.5) F3(-7.87,-31.5) F4(7.87,-31.5) F5(23.62,-31.5) F6(39.37,-31.5) G1(-39.37,-47.24) G2(-23.62,-47.24) G3(-7.87,-47.24) G4(7.87,-47.24) G5(23.62,-47.24) G6(39.37,-47.24)
  silkscreen extent -57,-65 57,65, body extent -49,-57 49,57, height 22
XTAL_4_7P2X5P2 [mil] "XTAL_4_7P2X5P2"
  rect 87x55 smd: 1(-124.02,-50) 2(-124.02,50) 3(124.02,50)
  rect 94x55 smd: 4(120.52,-50)
  silkscreen extent -149,-109 149,109, body extent -142,-103 142,103, height 52
XTLOSC4_2P5X2MM_SM [mil] "XTLOSC4_2P5X2MM_SM"
  rect 35x32 smd: 1(-32.5,-25) 2(32.5,-25) 3(32.5,25) 4(-32.5,25)
  silkscreen extent -63,-42 63,42, body extent -49,-39 49,39, height 20